# KiCad board Thermal_Camera.kicad_pcb (continued)
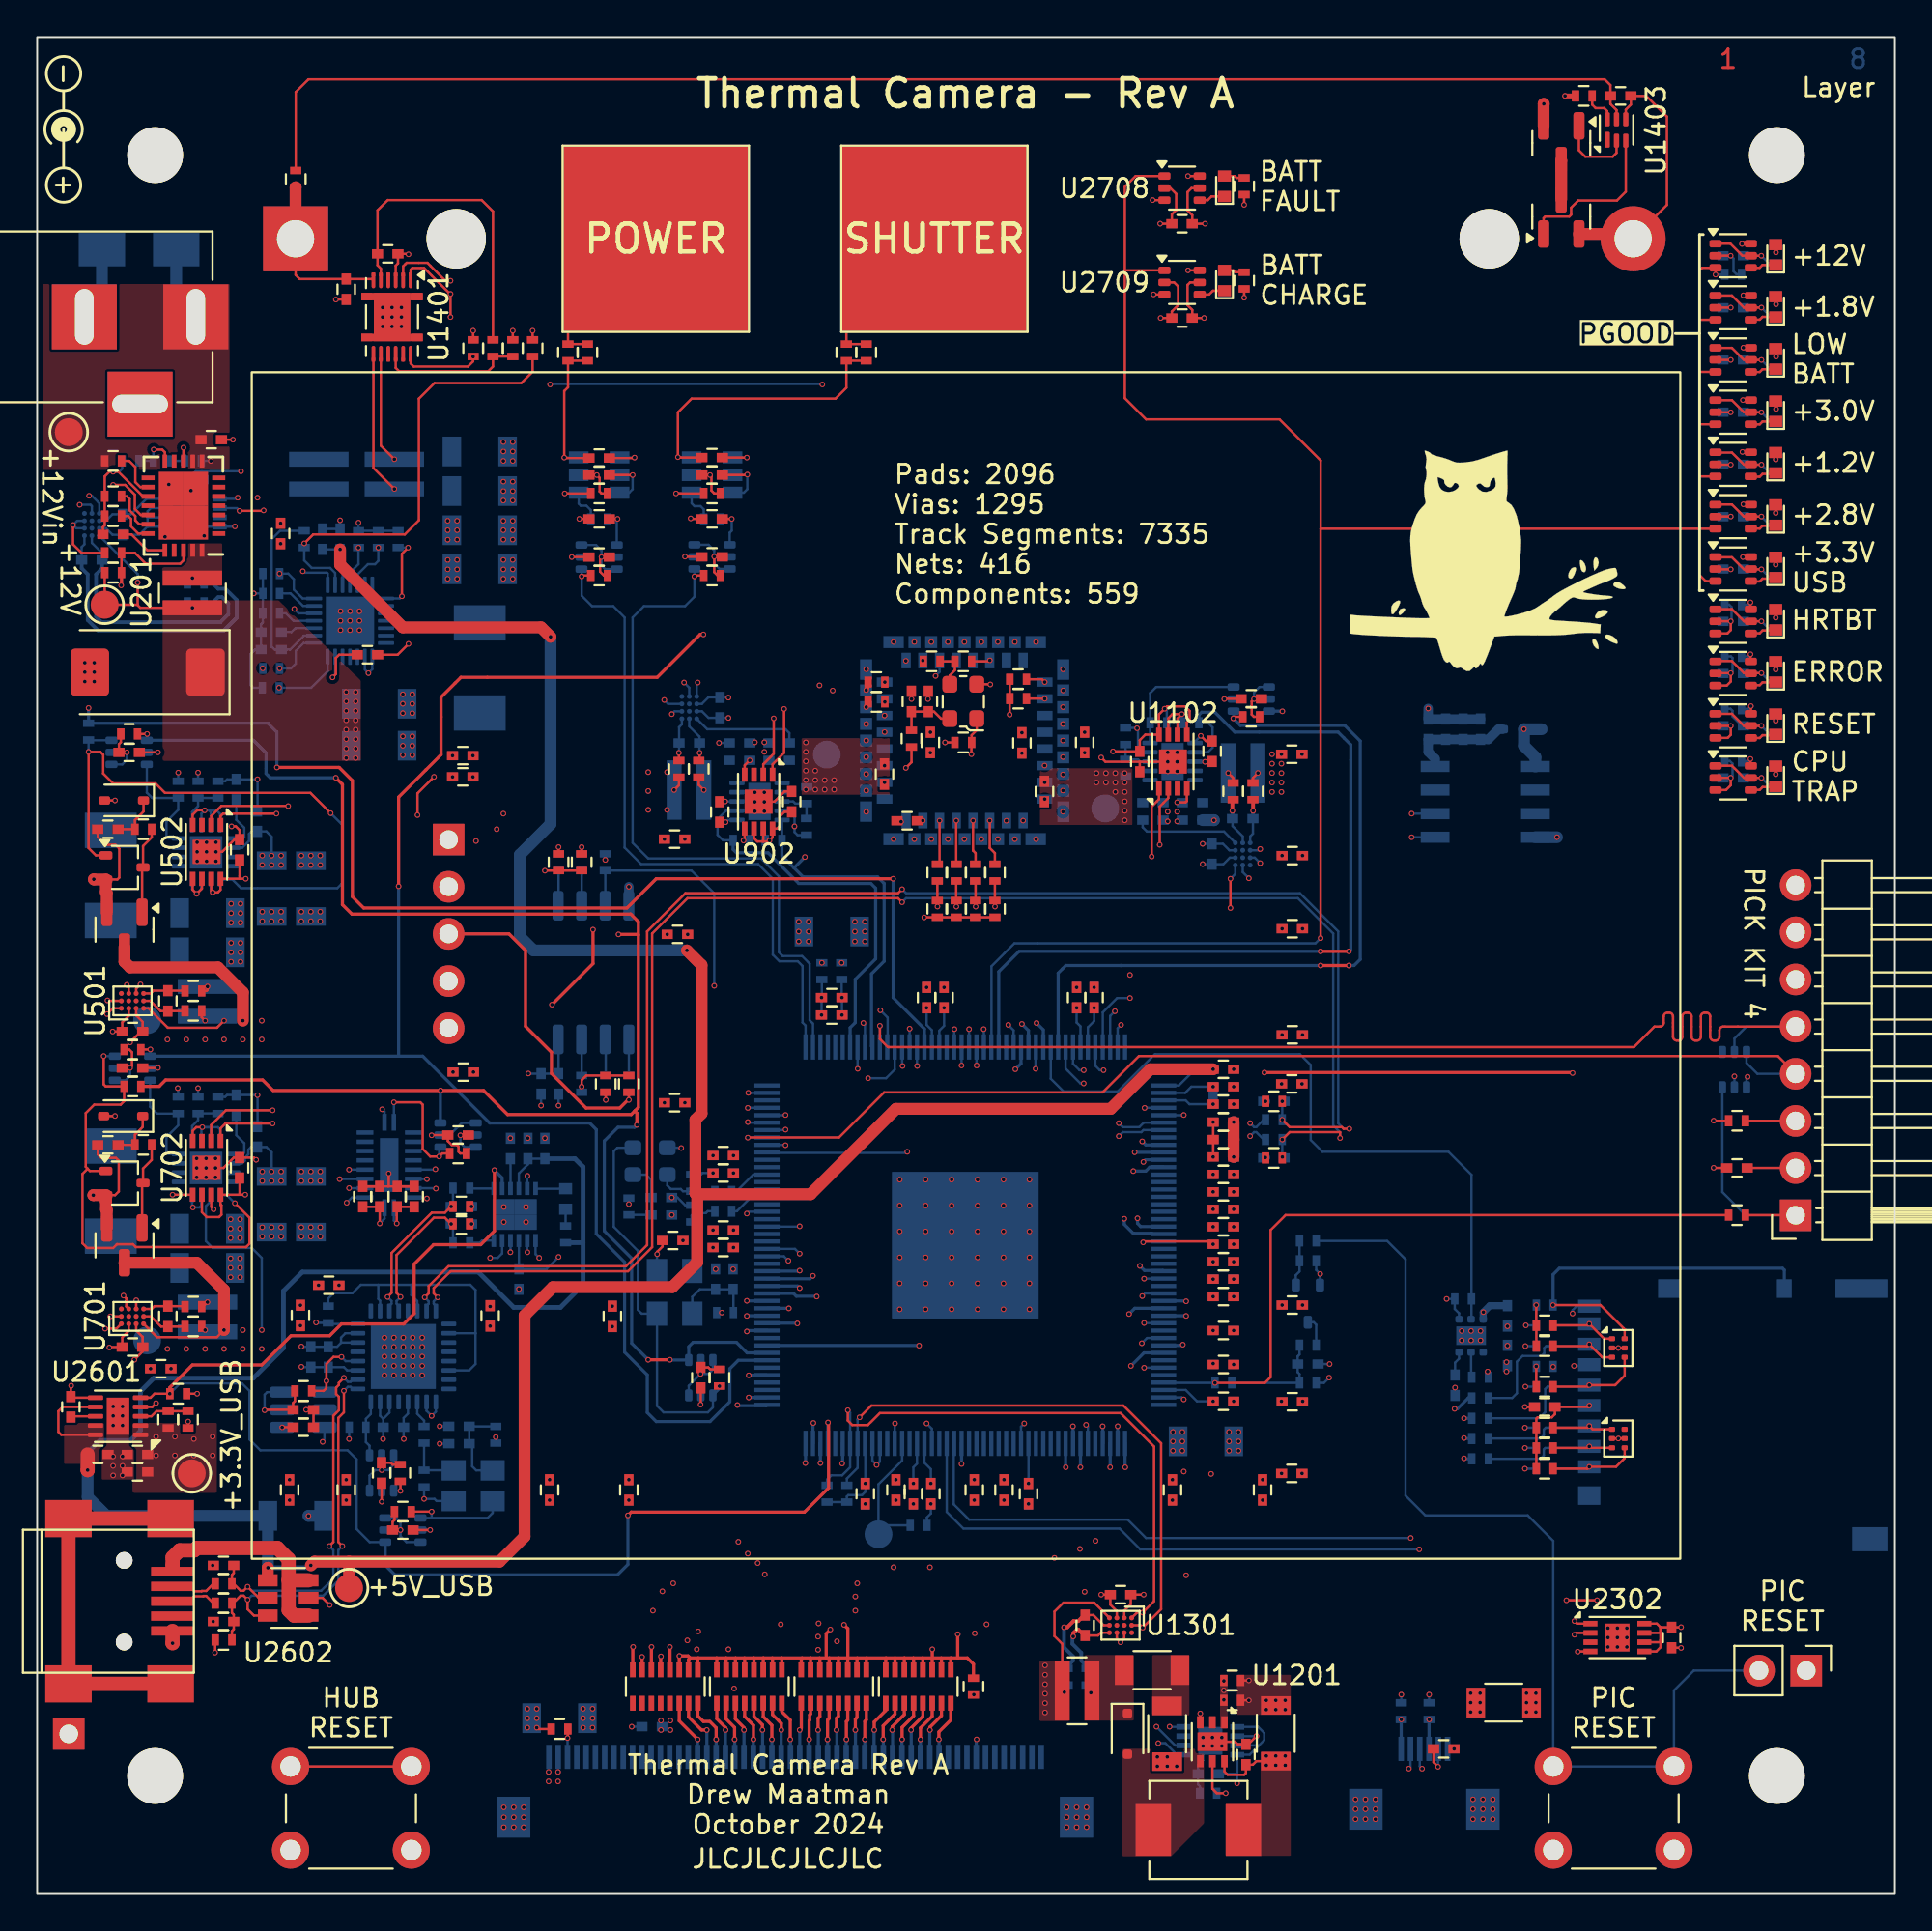
[diagram p0: board, top side]
## Routing (per net, layer and track width the routed paths; a pad name or vN(x,y) marks a point on that pad's centre or on a via; arc(x,y) is an arc through that point) (continued)
GLCD_R6: length 47.2
  Top w0.169: v1(37.54,8.32) 37.54,8.96 37.09,9.42 RN2103.10
  In2.Cu w0.169: v1(37.52,11.06) 37.54,11.04 v1(37.54,8.32) ; v1(57.76,22.97) 57.76,22.68 arc(57.81,22.56) 57.93,22.51 58.14,22.51 arc(58.26,22.46) 58.31,22.33 58.31,22.25 arc(58.26,22.13) 58.14,22.08 57.38,22.08 arc(57.26,22.03) 57.21,21.9 57.21,21.82 arc(57.26,21.7) 57.38,21.65 58.14,21.65 arc(58.26,21.6) 58.31,21.47 58.31,21.39 arc(58.26,21.27) 58.14,21.22 57.38,21.22 arc(57.26,21.17) 57.21,21.04 57.21,20.96 arc(57.26,20.84) 57.38,20.79 58.14,20.79 arc(58.26,20.74) 58.31,20.61 58.31,20.53 arc(58.26,20.41) 58.14,20.36 57.38,20.36 arc(57.26,20.31) 57.21,20.18 57.21,20.1 arc(57.26,19.98) 57.38,19.93 58.14,19.93 arc(58.26,19.88) 58.31,19.75 58.31,19.67 arc(58.26,19.55) 58.14,19.5 57.58,19.5 arc(57.46,19.45) 57.41,19.32 57.41,19.24 arc(57.46,19.12) 57.58,19.07 58.14,19.07 arc(58.26,19.02) 58.31,18.89 58.31,18.81 arc(58.26,18.69) 58.14,18.64 57.93,18.64 arc(57.81,18.59) 57.76,18.46 57.76,17.64 v1(56.39,16.27)
  In5.Cu w0.169: v1(37.52,11.06) 38.48,10.1 52.12,10.1 52.73,10.71 52.73,15.74 53.26,16.27 v1(56.39,16.27)
  Bottom w0.169: v1(57.76,22.97) 57.76,22.98 U1701.91 ; J2101.34 37.55,8.31 v1(37.54,8.32)
GLCD_R7: length 60.8
  Top w0.169: RN2103.9 36.59,9.43 37.06,8.95 v1(37.06,8.83)
  In2.Cu w0.169: v1(61.67,29.58) 60.68,28.59 60.68,23.58 61.52,22.75 v1(61.72,22.75) ; v1(37.06,8.83) 37.1,8.78 37.1,6.57 37.92,5.75 arc(38.09,5.82) 38.16,5.99 38.16,6.51 arc(38.23,6.68) 38.4,6.75 38.52,6.75 arc(38.69,6.68) 38.76,6.51 38.76,4.99 arc(38.83,4.82) 39,4.75 39.12,4.75 arc(39.29,4.82) 39.36,4.99 39.36,6.51 arc(39.43,6.68) 39.6,6.75 39.72,6.75 arc(39.89,6.68) 39.96,6.51 39.96,4.99 arc(40.03,4.82) 40.2,4.75 40.32,4.75 arc(40.49,4.82) 40.56,4.99 40.56,5.51 arc(40.63,5.68) 40.8,5.75 54.33,5.75 63.2,14.62 v1(63.2,22.62)
  In5.Cu w0.169: v1(61.72,22.75) 61.85,22.62 v1(63.2,22.62)
  Bottom w0.169: U1701.80 61.63,29.54 v1(61.67,29.58) ; J2101.35 37.05,8.82 v1(37.06,8.83)
GLCD_VSYNC: length 47.7
  Top w0.169: RN2104.15 35.06,9.53 35.76,8.83 v1(36.04,8.83)
  In2.Cu w0.169: v1(41.76,33.29) 41.6,33.13 40.58,33.13 39.14,31.69 39.14,31.43 arc(39.1,31.32) 38.99,31.28 38.79,31.28 arc(38.69,31.23) 38.64,31.12 38.64,31.05 arc(38.69,30.94) 38.79,30.9 39.24,30.9 arc(39.31,30.87) 39.34,30.8 39.34,30.62 arc(39.31,30.55) 39.24,30.52 38.79,30.52 arc(38.69,30.47) 38.64,30.36 38.64,30.29 arc(38.69,30.18) 38.79,30.14 38.99,30.14 arc(39.1,30.09) 39.14,29.98 39.93,29.2 39.93,28.68 arc(39.88,28.58) 39.78,28.53 39.08,28.53 arc(38.97,28.49) 38.93,28.38 38.93,28.3 arc(38.97,28.2) 39.08,28.15 40.05,28.15 arc(40.14,28.12) 40.18,28.03 40.18,27.9 arc(40.14,27.81) 40.05,27.77 39.08,27.77 arc(38.97,27.73) 38.93,27.62 38.93,27.54 arc(38.97,27.44) 39.08,27.39 39.78,27.39 arc(39.88,27.35) 39.93,27.24 39.93,26.81 39.52,26.4 arc(39.41,26.35) 39.3,26.4 39.02,26.68 arc(38.91,26.72) 38.81,26.68 38.75,26.62 arc(38.71,26.52) 38.75,26.41 39.21,25.95 arc(39.24,25.88) 39.21,25.81 39.08,25.68 arc(39.01,25.65) 38.94,25.68 38.7,25.93 arc(38.59,25.97) 38.48,25.93 38.43,25.88 arc(38.38,25.77) 38.43,25.66 38.67,25.41 arc(38.7,25.34) 38.67,25.27 38.55,25.15 arc(38.48,25.12) 38.41,25.15 38.16,25.39 arc(38.05,25.44) 37.94,25.39 37.89,25.34 arc(37.85,25.23) 37.89,25.12 38.14,24.88 arc(38.17,24.81) 38.14,24.74 38.01,24.61 arc(37.94,24.58) 37.87,24.61 37.62,24.85 arc(37.51,24.9) 37.41,24.85 37.35,24.8 arc(37.31,24.69) 37.35,24.59 37.6,24.34 arc(37.63,24.27) 37.6,24.2 37.47,24.07 arc(37.4,24.04) 37.33,24.07 37.08,24.32 arc(36.98,24.36) 36.87,24.32 36.82,24.26 arc(36.77,24.16) 36.82,24.05 37.06,23.8 arc(37.09,23.73) 37.06,23.66 36.93,23.53 arc(36.86,23.5) 36.79,23.53 36.55,23.78 arc(36.44,23.82) 36.33,23.78 36.28,23.73 arc(36.23,23.62) 36.28,23.51 36.35,23.44 arc(36.39,23.34) 36.35,23.23 36.04,22.92 36.04,22.47 arc(36.01,22.4) 35.94,22.37 arc(35.87,22.34) 35.84,22.27 35.84,22.09 arc(35.87,22.02) 35.94,21.99 36.17,21.99 arc(36.26,21.95) 36.29,21.86 36.29,21.73 arc(36.26,21.65) 36.17,21.61 35.94,21.61 arc(35.87,21.58) 35.84,21.51 35.84,21.33 arc(35.87,21.26) 35.94,21.23 36.17,21.23 arc(36.26,21.19) 36.29,21.1 36.29,20.97 arc(36.26,20.89) 36.17,20.85 35.94,20.85 arc(35.87,20.82) 35.84,20.75 35.84,20.57 arc(35.87,20.5) 35.94,20.47 arc(36.01,20.44) 36.04,20.37 v1(36.04,8.83)
  Bottom w0.169: J2101.37 36.05,8.82 v1(36.04,8.83) ; v1(41.76,33.29) 41.6,33.13 39.3,33.13 U1701.150
Heartbeat_LED: length 71.9
  Top w0.127: U2801.6 92.23,69.21 v1(92.23,69.56)
  In2.Cu w0.127: v1(58.83,49.49) 58.45,49.49 57.56,48.6 57.56,46.14 58.01,45.68 58.01,43.98 57.1,43.07 50.42,43.07 48.9,44.59 v1(47.37,44.59)
  In5.Cu w0.127: v1(58.83,49.49) 84.02,49.49 85.37,50.84 85.37,68.19 86.74,69.56 v1(92.23,69.56)
  Bottom w0.127: v1(92.23,69.56) 92.1,69.43 R2801.1 ; v1(47.37,44.59) 47.36,44.6 U1701.16
HUB_48MHCLK: length 1.5
  Bottom w0.127: U2504.27 20.46,25.86 20.83,25.49 R2501.2
HUB_CLK_EN: length 6.1
  Top w0.127: R2503.1 v1(21.23,20.59)
  Bottom w0.127: X2501.1 24.52,20.52 24.25,20.25 21.23,20.25 ; 21.23,20.25 v1(21.23,20.59) ; 21.23,20.25 U2501.4
HUB_SUSPND: length 60.7
  Top w0.127: 19.55,22.22 19.56,22.21 v1(19.56,21.7) ; v1(21.36,60.16) 20.47,59.27 v1(20.47,58.1)
  In2.Cu w0.127: v1(21.36,60.16) 21.46,60.16 21.92,60.62 21.92,68.34 21.11,69.15 19.02,69.15 16.94,71.23 v1(14.3,71.23) ; v1(19.56,21.7) 19.56,22.95 20.52,23.91 20.52,25.97 22.07,27.52 22.07,35.42 20.47,37.02 v1(20.47,58.1)
  Bottom w0.127: v1(19.56,21.7) 19.54,21.72 19.19,21.72 ; v1(14.3,71.23) 14.38,71.16 15.6,71.16 15.64,71.11 U1402.15
I2C_SCL: length 371.3
  Top w0.127: v1(43.64,26.05) 43.64,25.49 43.88,25.25 44.72,25.25 45.36,25.9 58.32,25.9 60.12,24.09 60.12,15.76 v1(59.51,15.15) 59.2,15.15 U1301.A1 ; U502.2 9.37,58.05 9.92,58.6 13.5,58.6 v1(13.51,58.59) ; v1(82.75,13.96) 82.85,14.06 83.61,14.06 ; v1(3.66,30.44) 4.27,30.44 U701.A1 ; U1102.2 60.89,59.02 60.43,58.56 v1(60.43,56.5) ; v1(10.9,74.49) 12.17,74.49 v1(12.19,74.51) ; v1(39.65,63.31) 39.65,61.4 39.09,60.84 U902.2 ; v1(12.67,42.2) 10.16,42.2 9.37,41.41 U702.2 ; v1(22.25,86.88) 21.97,86.88 21.01,87.85 19.89,87.85 19.7,87.66 U1401.2 ; v1(64.24,53.1) v1(64.24,54.67) ; U501.A1 4.07,47.7 v1(3.76,47.38)
  In2.Cu w0.127: v1(73.84,6.74) 74.02,6.92 74.02,12.28 74.78,13.04 82.17,13.04 82.75,13.63 v1(82.75,13.96) ; v1(64.24,54.67) 64.24,55.56 63.83,55.97 62.28,55.97 61.75,56.5 v1(60.43,56.5) 55.35,56.5 53.31,58.53 49.66,58.53 v1(45.62,62.57) 42.14,62.57 41.4,63.31 v1(39.65,63.31) 38.63,63.31 38.13,63.82 36.14,63.82 35.56,64.4 ; 35.56,64.4 35.46,64.3 v1(33.76,64.3) 33.12,64.94 33.12,84.37 31.78,85.71 22.68,85.71 ; 35.56,64.4 v1(35.56,65.24) ; v1(60.25,9) 60.25,9.74 64.47,13.96 v1(82.75,13.96) ; v1(22.25,86.88) 22.02,86.88 21.77,86.63 21.77,85.92 21.97,85.71 22.68,85.71 ; 22.68,85.71 22.68,82.26 21.84,81.42 13.18,81.42 12.28,80.52 12.28,74.6 v1(12.19,74.51) ; v1(3.66,30.44) 4.47,30.44 6.38,32.35 11.89,32.35 13.44,33.9 16.92,33.9 17.96,34.94 17.96,41.16 16.92,42.2 v1(12.67,42.2) 12.67,44.92 12.27,45.33 7.01,45.33 5.56,46.77 4.37,46.77 v1(3.76,47.38) 3.82,47.45 16.98,47.45 18.36,48.83 18.36,56.93 17.58,57.72 14.38,57.72 v1(13.51,58.59) 12.49,59.61 12.49,64.29 11.18,65.6 11.18,74.21 v1(10.9,74.49) 11.33,74.92 11.33,75.81 10.93,76.2 7.66,76.2 7.53,76.33 6.64,76.33 5.61,75.3 v1(2.79,75.3) ; v1(82.75,13.96) 83.19,13.96 83.54,14.31 83.54,20.71 82.32,21.93 75.13,21.93 74.7,22.36 74.7,47.61 73.36,48.96 65.35,48.96 64.24,50.08 v1(64.24,53.1) 68.07,53.1 68.96,53.99 68.96,56.43 69.44,56.91 v1(73.99,56.91)
  In5.Cu w0.127: v1(60.25,9) 60.25,14.82 59.92,15.15 v1(59.51,15.15)
  Bottom w0.127: v1(35.56,65.24) 35.5,65.18 U901.A1 ; U1101.A1 64.5,54.93 v1(64.24,54.67) ; v1(45.62,62.57) 45.62,62.57 U2401.21 ; v1(60.25,9) 61.26,7.99 U1302.2 ; v1(10.9,74.49) 10.75,74.63 U302.2 ; v1(73.84,6.74) 73.93,6.83 J2102.5 ; v1(43.64,26.05) 43.76,25.92 U1701.126 43.76,22.97 43.33,22.54 42.75,22.54 42.52,22.31 R1801.2 ; v1(33.76,64.3) 33.97,64.09 U901.B3 ; U2301.5 v1(73.99,56.91) ; U301.A1 3.35,74.9 2.95,75.3 v1(2.79,75.3)
I2C_SDA: length 374.2
  Top w0.127: U1301.A2 59.39,14.47 v1(59.51,14.34) 60.5,15.33 60.5,24.27 58.47,26.3 44.91,26.3 v1(44.27,25.67) ; U701.B3 4.8,31.63 4.8,32.07 v1(4.65,32.22) ; v1(3.78,48.12) 3.81,48.1 U501.A2 ; v1(82.75,14.69) 82.89,14.56 83.61,14.56 ; v1(12.67,41.49) 10.13,41.49 9.87,41.23 U702.1 ; U902.1 39.59,60.83 40.21,61.46 v1(40.21,63.82) ; v1(12.88,58.18) 10.01,58.18 9.87,58.04 U502.1 ; U1102.1 60.39,58.95 59.99,58.56 v1(59.99,55.87) ; v1(22.25,84.93) v1(22.25,86.17) 22.22,86.17 20.83,87.57 20.19,87.57 20.1,87.47 U1401.1 ; U701.A2 v1(3.94,31.1) ; v1(83.97,15.81) v1(82.32,15.81)
  In2.Cu w0.127: 10.11,74.82 10.11,73.22 10.57,72.76 10.57,60.49 v1(12.88,58.18) 13.84,57.21 17.17,57.21 17.78,56.6 17.78,48.96 16.94,48.12 v1(3.78,48.12) 3.63,48.12 2.95,47.43 2.95,46.62 4.65,44.92 11.79,44.92 12.28,44.43 12.28,42.84 12.26,42.82 12.26,41.91 v1(12.67,41.49) 16.43,41.49 17.35,40.58 17.35,35.24 16.56,34.46 13.13,34.46 11.47,32.79 5.22,32.79 v1(4.65,32.22) 3.94,31.51 v1(3.94,31.1) ; 10.11,74.82 10.41,74.82 v1(10.8,75.2) ; 10.11,74.82 v1(2.29,74.82) ; v1(83.97,15.81) 84,15.79 84,13.02 83.52,12.53 75.29,12.53 74.42,11.67 74.42,6.87 v1(74.55,6.74) ; v1(22.25,86.17) 32.31,86.17 33.83,84.65 33.83,66.23 v1(34.82,65.24) 35.36,65.77 37.26,65.77 39.22,63.82 v1(40.21,63.82) 42.32,63.82 42.67,63.46 v1(45.62,63.46) 45.62,63.28 49.96,58.94 53.62,58.94 55.55,57.01 63.68,57.01 65.23,55.46 v1(65.23,54.7) ; 82.75,15.84 v1(82.75,14.69) 64.21,14.69 59.56,10.05 59.56,8.52 59.97,8.12 v1(60.35,8.12) ; 82.75,15.84 82.73,15.81 v1(82.32,15.81) ; 82.75,15.84 82.75,20.28 81.79,21.25 74.8,21.25 74.12,21.93 74.12,46.95 72.77,48.3 64.87,48.3 63.42,49.75 63.42,54.06 ; v1(11.86,75.2) 11.86,81.06 12.85,82.05 21.62,82.05 22.25,82.69 v1(22.25,84.93) ; v1(59.99,55.87) 61.04,55.87 62.84,54.06 63.42,54.06 ; v1(73.99,58.18) 68.99,58.18 68.55,57.75 68.55,55.28 67.97,54.7 v1(65.23,54.7) ; v1(65.23,54.7) 65.23,54.42 64.87,54.06 63.42,54.06
  In5.Cu w0.127: v1(59.51,14.34) 59.51,8.45 59.84,8.12 v1(60.35,8.12) ; v1(10.8,75.2) v1(11.86,75.2)
  Bottom w0.127: v1(65.23,54.7) 64.9,55.03 U1101.A2 ; v1(74.55,6.74) 74.43,6.87 J2102.4 ; U901.A2 35.1,64.96 v1(34.82,65.24) ; U2301.6 v1(73.99,58.18) ; v1(10.8,75.2) 10.73,75.13 U302.1 ; v1(44.27,25.67) 44.16,25.56 U1701.125 44.16,22.94 43.59,22.36 R1802.2 ; U2401.22 v1(45.62,63.46) ; v1(60.35,8.12) 60.73,8.12 61.35,7.49 U1302.1 ; U301.A2 2.95,74.74 2.87,74.82 v1(2.29,74.82)
LCD _CTP_RESET: length 40.2
  In5.Cu w0.127: v1(73.43,9.39) 73.94,9.9 v1(73.94,19.16)
  Bottom w0.127: v1(73.94,19.16) 59.69,19.16 58.7,20.16 50.16,20.16 49.34,20.98 49.34,24.24 U1701.112
  Bottom w0.169: J2102.6 73.43,9.39 v1(73.43,9.39)
LCD_CTP_INT: length 40.9
  In5.Cu w0.127: v1(74.4,18.55) 74.4,9.93 v1(74.93,9.39)
  Bottom w0.127: v1(74.4,18.55) 59.39,18.55 58.27,19.67 49.86,19.67 48.96,20.57 U1701.113
  Bottom w0.169: J2102.3 74.93,9.39 v1(74.93,9.39)
LCD_ENABLE: length 17.3
  In2.Cu w0.169: v1(50.42,10.73) 50.57,10.58 v1(50.57,8.32) ; v1(50.47,14.03) 50.44,14.03 49.76,14.72 v1(49.76,23.15)
  In5.Cu w0.169: v1(50.47,14.03) 50.47,10.78 v1(50.42,10.73)
  Bottom w0.169: J2101.8 50.55,8.3 v1(50.57,8.32) ; U1701.111 49.76,23.16 v1(49.76,23.15)
PGOOD_LED_SHDN: length 120.2
  Top w0.127: 89.48,79.16 89.49,79.15 U2704.3 ; 89.48,79.16 89.48,81.98 ; 89.48,79.16 89.48,76.37 ; 69.09,73.52 69.09,73.52 v1(69.09,51.47) ; 69.09,73.52 U2706.3 ; 69.09,73.52 69.09,77.2 66.88,79.41 59.69,79.41 58.55,80.56 58.55,87.44 ; U2708.1 59.13,92.52 58.55,91.94 58.55,87.44 ; v1(90.35,87.21) U2701.3 89.62,87.58 89.48,87.44 89.48,84.77 ; 89.48,84.77 89.49,84.78 U2702.3 ; 89.48,84.77 89.48,81.98 ; U2705.3 89.51,76.34 89.48,76.37 ; 89.48,81.98 89.49,81.97 U2703.3 ; U2709.1 58.55,87.44 ; 89.48,76.37 89.48,71.03 89.81,70.7 U2707.3
  Bottom w0.127: U1701.26 51.37,45.62 51.37,49.96 52.6,51.19 68.81,51.19 v1(69.09,51.47) ; v1(90.35,87.21) 90.83,87.21 R2701.1
PIC32MZ_CLK_EN: length 20.8
  Top w0.127: v1(36.73,27.34) R1602.1
  Bottom w0.127: X1601.1 31.23,40.18 31.04,39.99 31.04,35.93 32.33,34.63 32.33,31.46 32.54,31.25 X1602.1 33.37,26.29 33.72,25.94 36.11,25.94 36.37,26.2 U1601.4 36.73,27.2 v1(36.73,27.34)
PIC32MZ_ICSPCLK: length 63.9
  Top w0.127: v1(45.36,46.75) 45.36,46.04 45.8,45.61 85.95,45.61 87.06,46.71 87.36,46.71 arc(87.5,46.77) 87.56,46.91 87.56,47.26 arc(87.62,47.4) 87.76,47.46 87.86,47.46 arc(88,47.4) 88.06,47.26 88.06,46.16 arc(88.12,46.02) 88.26,45.96 88.36,45.96 arc(88.5,46.02) 88.56,46.16 88.56,47.26 arc(88.62,47.4) 88.76,47.46 88.86,47.46 arc(89,47.4) 89.06,47.26 89.06,46.16 arc(89.12,46.02) 89.26,45.96 89.36,45.96 arc(89.5,46.02) 89.56,46.16 89.56,47.26 arc(89.62,47.4) 89.76,47.46 89.86,47.46 arc(90,47.4) 90.06,47.26 90.06,46.16 arc(90.12,46.02) 90.26,45.96 90.36,45.96 arc(90.5,46.02) 90.56,46.16 90.56,46.51 arc(90.62,46.65) 90.76,46.71 J1501.5
  Bottom w0.127: v1(45.36,46.75) 45.36,46.75 U1701.11 ; J1501.5 92.01,46.71 91.36,46.06 D1501.5
PIC32MZ_ICSPDAT: length 63.1
  Top w0.127: v1(38.25,40.73) 38.26,40.74 43.17,40.74 45.59,43.17 57.35,43.17 59.31,45.12 93.7,45.12 J1501.4
  Bottom w0.127: J1501.4 92.6,44.17 92.01,44.75 D1501.6 ; U1701.169 38.26,40.74 v1(38.25,40.73)
PIC32MZ_POSC_EC: length 2.3
  Bottom w0.127: R1605.2 37.64,37.83 38.55,38.74 U1701.164
PIC32MZ_REFCLK1: length 7.3
  Bottom w0.127: R1601.1 45.77,19.85 TP1601.1 45.29,22.06 46.56,23.33 U1701.119
PIC32MZ_SOSC_EC: length 2.2
  Bottom w0.127: U1701.161 38.44,37.54 37.67,36.77 R1606.2
PIC_USB_D+: length 11
  In5.Cu w0.127: v1(65.29,40.81) 65.08,41.03 64.84,41.03 64.69,40.88 63.02,40.88 62.87,41.03 58.44,41.03 v1(58.23,40.81)
  Bottom w0.127: v1(58.23,40.81) 58.44,41.03 59.44,41.03 59.55,41.14 U1701.51 ; R1701.2 66.02,40.63 65.62,41.03 65.51,41.03 v1(65.29,40.81)
PIC_USB_D-: length 11.1
  In5.Cu w0.127: v1(58.23,41.51) 58.44,41.3 62.99,41.3 63.13,41.15 64.58,41.15 64.72,41.3 65.08,41.3 v1(65.29,41.51)
  Bottom w0.127: v1(58.23,41.51) 58.44,41.3 59.33,41.3 59.57,41.54 U1701.50 ; R1702.2 66.02,41.69 65.62,41.3 65.51,41.3 v1(65.29,41.51)
PIC_USBHS_D+: length 85.2
  Top w0.127: v1(46.56,53.41) 46.34,53.62 35.01,53.62 33.1,51.72 33.1,34.83 31.81,33.53 22.26,33.53 21.35,32.62 21.35,32.34 v1(21.56,32.13) ; v1(67.02,40.63) 67.42,41.03 70.12,41.03 70.14,41.01 v1(70.14,40.71)
  Bottom w0.127: v1(21.56,32.13) 21.35,31.91 21.35,31.78 21.46,31.67 U2504.16 ; C1719.1 67.08,39.64 v1(67.03,39.69) 67.02,39.69 v1(67.02,40.63) ; v1(46.56,53.41) 46.77,53.62 67.86,53.62 69.77,51.72 69.77,41.38 70.14,41.01 v1(70.14,40.71)
PIC_USBHS_D-: length 86.2
  Top w0.127: v1(67.02,41.69) 67.42,41.3 70.24,41.3 70.33,41.21 v1(70.63,41.21) ; v1(20.86,32.13) 21.08,32.34 21.08,32.73 22.14,33.8 31.69,33.8 32.83,34.94 32.83,51.83 34.89,53.89 46.34,53.89 v1(46.56,54.11)
  Bottom w0.127: U2504.15 20.96,31.67 21.08,31.78 21.08,31.91 v1(20.86,32.13) ; C1726.1 v1(67.02,42.68) v1(67.02,41.69) ; v1(70.63,41.21) 70.33,41.21 70.04,41.5 70.04,51.83 67.98,53.89 46.77,53.89 v1(46.56,54.11)
POS1P2_PGOOD: length 82.1
  Top w0.127: R1003.1 64.48,63.4 v1(64.39,63.31)
  Top w0.169: U2705.6 91.81,77.64 v1(91.8,77.66) ; v1(69.09,50) v1(70.61,50)
  In2.Cu w0.169: v1(64.39,63.31) 64.39,76.42 65.63,77.66 v1(91.8,77.66)
  Bottom w0.127: v1(64.39,63.31) 64.39,63.68 U1001.4
  Bottom w0.169: v1(70.61,50) 70.89,50 71.22,50.33 71.22,62.09 70.38,62.93 64.77,62.93 v1(64.39,63.31) ; U1701.35 54.96,49.59 55.37,50 58.34,50 58.32,50 v1(69.09,50)
POS1P2_PGOOD_VREG: length 7.3
  Bottom w0.127: U1001.6 60.24,65 59.91,64.67 R1001.2 59.9,63.07 U1002.5
POS1P2_RUN: length 46.9
  Top w0.169: v1(70.61,50.76) v1(69.09,50.76)
  Bottom w0.127: R1002.1 63.02,63.07 63.27,62.83 63.27,61.73 63.02,61.48 U1002.7
  Bottom w0.169: U1701.27 51.76,49.67 52.86,50.76 v1(69.09,50.76) ; v1(70.61,50.76) 70.71,50.86 70.71,61.89 70.03,62.57 64.47,62.57 63.4,63.64 62.69,63.64 62.54,63.49 R1002.1
POS1P2_SNS+: length 2.4
  Top w0.2: R1004.1 65.46,58.92 v1(65.46,58.33)
  Bottom w0.127: C1101.1 65.45,57.1 65.3,56.95 U1101.D3
  Bottom w0.2: C1101.1 65.45,58.32 v1(65.46,58.33)
POS1P2_SNS-: length 2.6
  Top w0.2: R1006.1 64.34,58.89 v1(64.34,58.33)
  Bottom w0.127: U1101.D2 64.9,56.96 64.35,57.51 C1101.2
  Bottom w0.2: v1(64.34,58.33) 64.35,58.32 C1101.2
POS1P8_PGOOD: length 212.7
  Top w0.127: R602.1 5.59,45.48 v1(6.1,45.48)
  Top w0.169: U2702.6 91.86,86.08 v1(91.85,86.09) ; v1(19.46,54.27) 19.46,59.07 21.74,61.35 21.74,64.45 22.81,65.52 33.38,65.52 35.69,67.83 v1(35.86,67.83)
  In2.Cu w0.169: v1(67.03,63.69) 67.03,72.05 68.25,73.27 93.83,73.27 94.56,74 94.56,85.27 93.74,86.09 v1(91.85,86.09) 89.94,86.09 87.86,84.01 36.73,84.01 35.62,82.9 35.62,71.84 35.86,71.59 v1(35.86,67.83)
  Bottom w0.127: v1(6.1,45.48) 6.08,45.46 U601.4
  Bottom w0.169: 19.46,45.12 20.76,45.12 24.36,41.52 29.74,41.52 30.1,41.16 30.1,35.55 31.62,34.02 31.62,29.17 32.84,27.95 32.84,25.92 33.32,25.44 36.22,25.44 37.29,26.51 37.29,28.28 37.74,28.74 U1701.139 ; 19.46,45.12 v1(19.46,54.27) ; 19.46,45.12 U601.4 ; v1(67.03,63.69) 67.02,63.7 U1001.3
POS1P8_RUN: length 27.4
  Top w0.127: 2.72,39.05 2.84,38.93 Q601.1 ; 2.72,39.05 2.62,39.15 2.62,42.05 3.07,42.51 4.5,42.51 4.68,42.69 R601.2 3.69,43.49 3.58,43.6 v1(3.58,45.12) ; 2.72,39.05 2.44,38.77 2.44,35.04 2.69,34.79 4.09,34.79 4.29,34.99 5.16,34.99 5.31,34.84 11.25,34.84 11.43,35.01 11.43,36.42 10.65,37.2 v1(10.64,37.2)
  Bottom w0.127: U602.13 10.21,37.63 v1(10.64,37.2) ; v1(3.58,45.12) 3.59,45.12 U601.3
POS1P8_SNS+: length 2.3
  Top w0.127: R605.1 7.93,31.65 C701.1 6.32,31.65 6.17,31.5 U701.D3
POS1P8_SNS-: length 2.5
  Top w0.127: U701.D2 6.12,31.1 6.67,30.55 C701.2 7.95,30.55 R607.1
POS2P8_PGOOD: length 93.1
  Top w0.169: v1(91.85,74.84) 91.86,74.82 U2706.6
  In2.Cu w0.169: v1(91.85,74.84) 91.85,76.64 92.38,77.18 92.38,78.07 92.08,78.37 47.29,78.37 43.05,74.13 43.05,65.04 v1(42.82,64.81)
  In5.Cu w0.169: v1(42.82,64.81) 42.67,64.65 42.23,64.65 40.33,62.74 40.33,56.84 v1(41.33,55.84)
  Bottom w0.127: U801.5 40.1,56.75 R801.2
  Bottom w0.169: U1701.10 44.91,45.66 44.91,49.55 45.59,50.23 45.59,54.42 45.24,54.78 41.22,54.78 40.74,55.26 ; v1(41.33,55.84) 40.74,55.26 ; 40.74,55.26 40.09,55.91 R801.2
POS2P8_RUN: length 21.2
  Bottom w0.127: U801.7 37.08,58.34 36.63,57.88 36.63,57.04 36.92,56.75 R802.1
  Bottom w0.169: R802.1 37.46,56.25 37.64,56.07 39.34,56.07 41,54.42 44.88,54.42 45.14,54.17 45.14,50.36 44.04,49.26 44.04,46.92 43.76,46.64 U1701.7
POS2P8_SNS+: length 2.3
  Top w0.127: v1(34.54,61.46) 34.54,61.04 R803.1
  Bottom w0.127: U901.D3 34.7,62.99 34.55,62.84 C901.1 34.55,61.47 v1(34.54,61.46)
POS2P8_SNS-: length 2.5
  Top w0.127: R805.1 35.66,61.09 v1(35.66,61.46)
  Bottom w0.127: v1(35.66,61.46) 35.65,61.46 C901.2 35.65,62.33 35.1,62.88 U901.D2
POS3P0_PGOOD: length 183.5
  Top w0.127: v1(5.92,62.47) R402.1
  Top w0.169: 32.36,51.65 32.33,51.68 v1(31.29,51.68) ; 32.36,51.65 32.36,42.35 32.17,42.16 ; 32.36,51.65 32.36,52.36 31.95,52.77 16.94,52.77 16.43,53.28 16.43,59.75 v1(16.08,60.11) ; 32.17,42.16 31.98,41.97 25.32,41.97 24.03,43.27 v1(21.72,43.27) 12.7,43.27 12.13,43.83 6.92,43.83 6.57,43.49 R601.1 ; 32.17,42.16 32.28,42.05 v1(32.28,41.41) ; v1(34.06,28.77) v1(32.89,28.77) ; U2704.6 91.83,80.45 v1(91.82,80.45)
  In2.Cu w0.169: v1(42.11,65.09) 42.27,65.24 42.27,75.5 47.22,80.45 v1(91.82,80.45)
  In5.Cu w0.169: v1(31.29,51.68) 31.9,52.29 37.82,52.29 39.9,54.36 39.9,62.87 v1(42.11,65.09)
  Bottom w0.127: v1(5.92,62.47) 5.9,62.46 U401.4
  Bottom w0.169: U401.4 11.64,62.13 12.32,61.46 12.32,60.34 12.55,60.11 v1(16.08,60.11) ; U1701.140 38.21,29.14 37.64,29.71 35.31,29.71 35.07,29.47 U1601.1 34.08,28.75 v1(34.06,28.77) ; v1(21.72,43.27) 21.71,43.26 U2202.6 ; v1(32.28,41.41) 32.16,41.29 31.27,41.29 30.53,40.55 30.53,35.7 32,34.23 32,29.65 v1(32.89,28.77)
POS3P0_RUN: length 34.1
  Top w0.127: Q401.1 3.16,55.93 2.77,56.32 v1(2.77,61.51) 3.4,61.51 3.56,61.35 3.56,60.34 4.09,59.8 6.38,59.8 6.88,59.3 14.71,59.3 v1(15.8,58.2)
  Bottom w0.127: U402.13 10.5,54.63 10.97,54.17 16.15,54.17 16.43,54.45 16.43,57.57 v1(15.8,58.2) ; U401.3 2.79,62.13 R401.2 v1(2.77,61.51)
POS3P0_SNS+: length 2.3
  Top w0.127: U501.D3 6.12,48.5 6.27,48.65 C501.1 7.94,48.65 R405.1
POS3P0_SNS-: length 2.5
  Top w0.127: U501.D2 6.1,48.1 6.65,47.55 C501.2 7.94,47.55 R407.1
POS3P3_USB_PGOOD: length 181.2
  Top w0.127: U2601.5 6.1,26.72 6.32,26.94 R2601.2
  Top w0.169: v1(24.61,38.98) 24.61,35.7 23.88,34.96 21.34,34.96 20.29,33.92 20.29,31.25 19.74,30.7 16.38,30.7 15.75,30.06 13.67,30.06 12.09,28.49 8.36,28.49 7.14,27.27 R2601.2 ; v1(66.07,44.23) 82.63,44.23 v1(82.65,44.21) ; v1(42.57,25.39) 42.6,25.36 42.6,21.86 41.3,20.56 31.98,20.56 v1(31.8,20.38) ; v1(91.82,72) 91.83,72 U2707.6
  In2.Cu w0.169: v1(66.07,44.23) 65.8,43.97 59.12,43.97 57.4,42.25 43.71,42.25 42.06,43.91 27.9,43.91 27.61,43.62 25.98,43.62 24.61,42.25 v1(24.61,38.98) ; v1(82.65,44.21) 82.75,44.21 83.72,45.17 83.72,70.75 84.96,72 v1(91.82,72)
  Bottom w0.127: U2501.1 17.9,18.95 17.2,19.65 17.2,23.41 16.71,23.89 12.01,23.89 11.43,24.47 11.43,27.09 11.02,27.5 7.7,27.5 v1(7.14,26.94)
  Bottom w0.169: U2201.2 25.03,38.56 v1(24.61,38.98) ; U2501.1 18.74,18.01 18.72,18 18.72,17.72 19.25,17.18 31.24,17.18 31.8,17.74 v1(31.8,20.38) ; U1701.129 42.56,25.38 v1(42.57,25.39)
POS12_PGOOD: length 192.9
  Top w0.127: U201.22 7.87,71.82 7.7,71.64 5.84,71.64 5.26,72.23 R209.1 R208.2
  Top w0.169: v1(4.52,70.47) 4.54,70.49 R208.2 ; v1(12.9,60.67) 16.26,60.67 16.97,59.96 16.97,53.71 17.58,53.1 31.75,53.1 33.32,54.67 v1(46.08,54.67) ; U2701.6 91.79,88.88 v1(91.77,88.86)
  In2.Cu w0.169: v1(91.77,88.86) 90.42,88.86 87.05,85.48 37.24,85.48 30.76,91.96 19.63,91.96 17.55,89.88 17.55,84.29 16.1,82.84 11.33,82.84 9.73,81.24 9.73,78.6 8.41,77.28 1.98,77.28 1.02,76.31 1.02,71.39 1.93,70.47 v1(4.52,70.47)
  In5.Cu w0.169: v1(4.52,70.47) 4.52,64.35 4.04,63.87 v1(2.77,63.87)
  Bottom w0.169: U1701.17 47.76,46.58 46.08,48.27 v1(46.08,54.67) ; v1(2.77,63.87) R401.1 12.43,63.05 12.9,62.57 v1(12.9,60.67)
POS12_SNS+: length 16.4
  Bottom w0.127: C301.1 2.4,72.54 2.55,72.69 U301.D3
  Bottom w0.2: R205.1 9.43,70.6 9.74,70.29 10.13,70.29 10.74,69.68 10.74,68.73 10.05,68.04 3.28,68.04 2.72,68.6 2.72,71.07 2.4,71.39 C301.1
POS12_SNS-: length 14.3
  Bottom w0.127: C301.2 3.5,72.21 2.95,72.76 U301.D2
  Bottom w0.2: R210.1 9.43,69.53 9.74,69.84 9.95,69.84 10.29,69.5 10.29,68.91 9.86,68.49 3.47,68.49 3.17,68.79 3.17,71.07 3.5,71.39 C301.2
Reset_LED: length 55.5
  Top w0.127: U2803.6 92.25,63.56 v1(92.25,63.97)
  In5.Cu w0.127: v1(58.34,46.8) 59.23,47.69 84.73,47.69 87.15,50.1 87.15,57.95 88.09,58.89 94.49,58.89 94.84,59.25 94.84,63.49 94.36,63.97 v1(92.25,63.97)
  Bottom w0.127: v1(92.25,63.97) 92.11,63.83 R2805.2 ; U1701.43 58.16,46.62 v1(58.34,46.8)
SD_PWR_EN: length 38.3
  Bottom w0.127: U1701.34 54.56,43.9 55.25,43.22 58.17,43.22 60.17,45.22 67.97,45.22 68.55,44.64 68.55,40.6 69.19,39.97 75.97,39.97 77.21,38.73 R2029.1 77.21,30.97 U2002.5
SD_SPI_MISO: length 50.7
  In5.Cu w0.169: v1(76.3,26.12) 76.27,26.09 74.25,26.09 arc(74.14,26.14) 74.09,26.26 74.09,26.61 arc(74.04,26.72) 73.92,26.77 73.84,26.77 arc(73.73,26.72) 73.68,26.61 73.68,26.26 arc(73.63,26.14) 73.51,26.09 73.43,26.09 arc(73.32,26.14) 73.27,26.26 73.27,26.61 arc(73.22,26.72) 73.1,26.77 73.02,26.77 arc(72.91,26.72) 72.86,26.61 72.86,26.26 arc(72.81,26.14) 72.69,26.09 72.61,26.09 arc(72.5,26.14) 72.45,26.26 72.45,26.61 arc(72.4,26.72) 72.28,26.77 72.2,26.77 arc(72.09,26.72) 72.04,26.61 72.04,26.26 arc(71.99,26.14) 71.87,26.09 71.79,26.09 arc(71.68,26.14) 71.63,26.26 71.63,26.61 arc(71.58,26.72) 71.46,26.77 71.38,26.77 arc(71.27,26.72) 71.22,26.61 71.22,26.26 arc(71.17,26.14) 71.05,26.09 70.97,26.09 arc(70.86,26.14) 70.81,26.26 70.81,26.61 arc(70.76,26.72) 70.64,26.77 70.56,26.77 arc(70.45,26.72) 70.4,26.61 70.4,26.26 arc(70.35,26.14) 70.23,26.09 63.12,26.09 63.07,26.15 55.37,26.15 52.98,28.54 52.98,43.74 53.14,43.9 53.14,46.72 v1(53.01,46.85)
  Bottom w0.169: U1701.31 53.36,46.5 v1(53.01,46.85) ; v1(76.3,26.12) 76.45,26.12 77.04,26.71 R2010.2
SD_SPI_MOSI: length 50.8
  In5.Cu w0.169: v1(76.81,24.55) 77.19,24.55 77.42,24.78 77.42,25.87 76.73,26.56 76.35,26.56 75.77,27.14 73.46,27.14 arc(73.34,27.19) 73.28,27.32 73.28,27.96 arc(73.23,28.09) 73.1,28.14 73.01,28.14 arc(72.89,28.09) 72.83,27.96 72.83,27.32 arc(72.78,27.19) 72.65,27.14 72.56,27.14 arc(72.44,27.19) 72.38,27.32 72.38,27.96 arc(72.33,28.09) 72.2,28.14 72.11,28.14 arc(71.99,28.09) 71.93,27.96 71.93,27.32 arc(71.88,27.19) 71.75,27.14 71.66,27.14 arc(71.54,27.19) 71.48,27.32 71.48,27.96 arc(71.43,28.09) 71.3,28.14 71.21,28.14 arc(71.09,28.09) 71.03,27.96 71.03,27.32 arc(70.98,27.19) 70.85,27.14 70.76,27.14 arc(70.64,27.19) 70.58,27.32 70.58,27.96 arc(70.53,28.09) 70.4,28.14 70.31,28.14 arc(70.19,28.09) 70.13,27.96 70.13,27.32 arc(70.08,27.19) 69.95,27.14 69.8,26.99 61.99,26.99 61.9,27.07 61.54,27.07 61.46,26.99 55.68,26.99 53.87,28.79 53.87,44.31 v1(53.75,44.44)
  Bottom w0.169: v1(53.75,44.44) 53.76,44.45 U1701.32 ; R2009.2 76.84,24.52 v1(76.81,24.55)
SD_SPI_SCK: length 50.8
  In5.Cu w0.169: v1(76.81,25.62) 75.43,25.62 arc(75.3,25.56) 75.24,25.42 75.24,24.74 arc(75.18,24.6) 75.05,24.55 74.95,24.55 arc(74.82,24.6) 74.76,24.74 74.76,25.42 arc(74.7,25.56) 74.57,25.62 74.47,25.62 arc(74.34,25.56) 74.28,25.42 74.28,24.74 arc(74.22,24.6) 74.09,24.55 73.99,24.55 arc(73.86,24.6) 73.8,24.74 73.8,25.42 arc(73.74,25.56) 73.61,25.62 73.51,25.62 arc(73.38,25.56) 73.32,25.42 73.32,24.74 arc(73.26,24.6) 73.13,24.55 73.03,24.55 arc(72.9,24.6) 72.84,24.74 72.84,25.42 arc(72.78,25.56) 72.65,25.62 72.55,25.62 arc(72.42,25.56) 72.36,25.42 72.36,24.74 arc(72.3,24.6) 72.17,24.55 72.07,24.55 arc(71.94,24.6) 71.88,24.74 71.88,25.42 arc(71.82,25.56) 71.69,25.62 71.3,25.62 71.2,25.72 54.74,25.72 52.53,27.93 52.53,44.29 v1(52.65,44.41)